# Altium PCB openmv-ae3.PcbDoc (part 1 of 7) (continued)
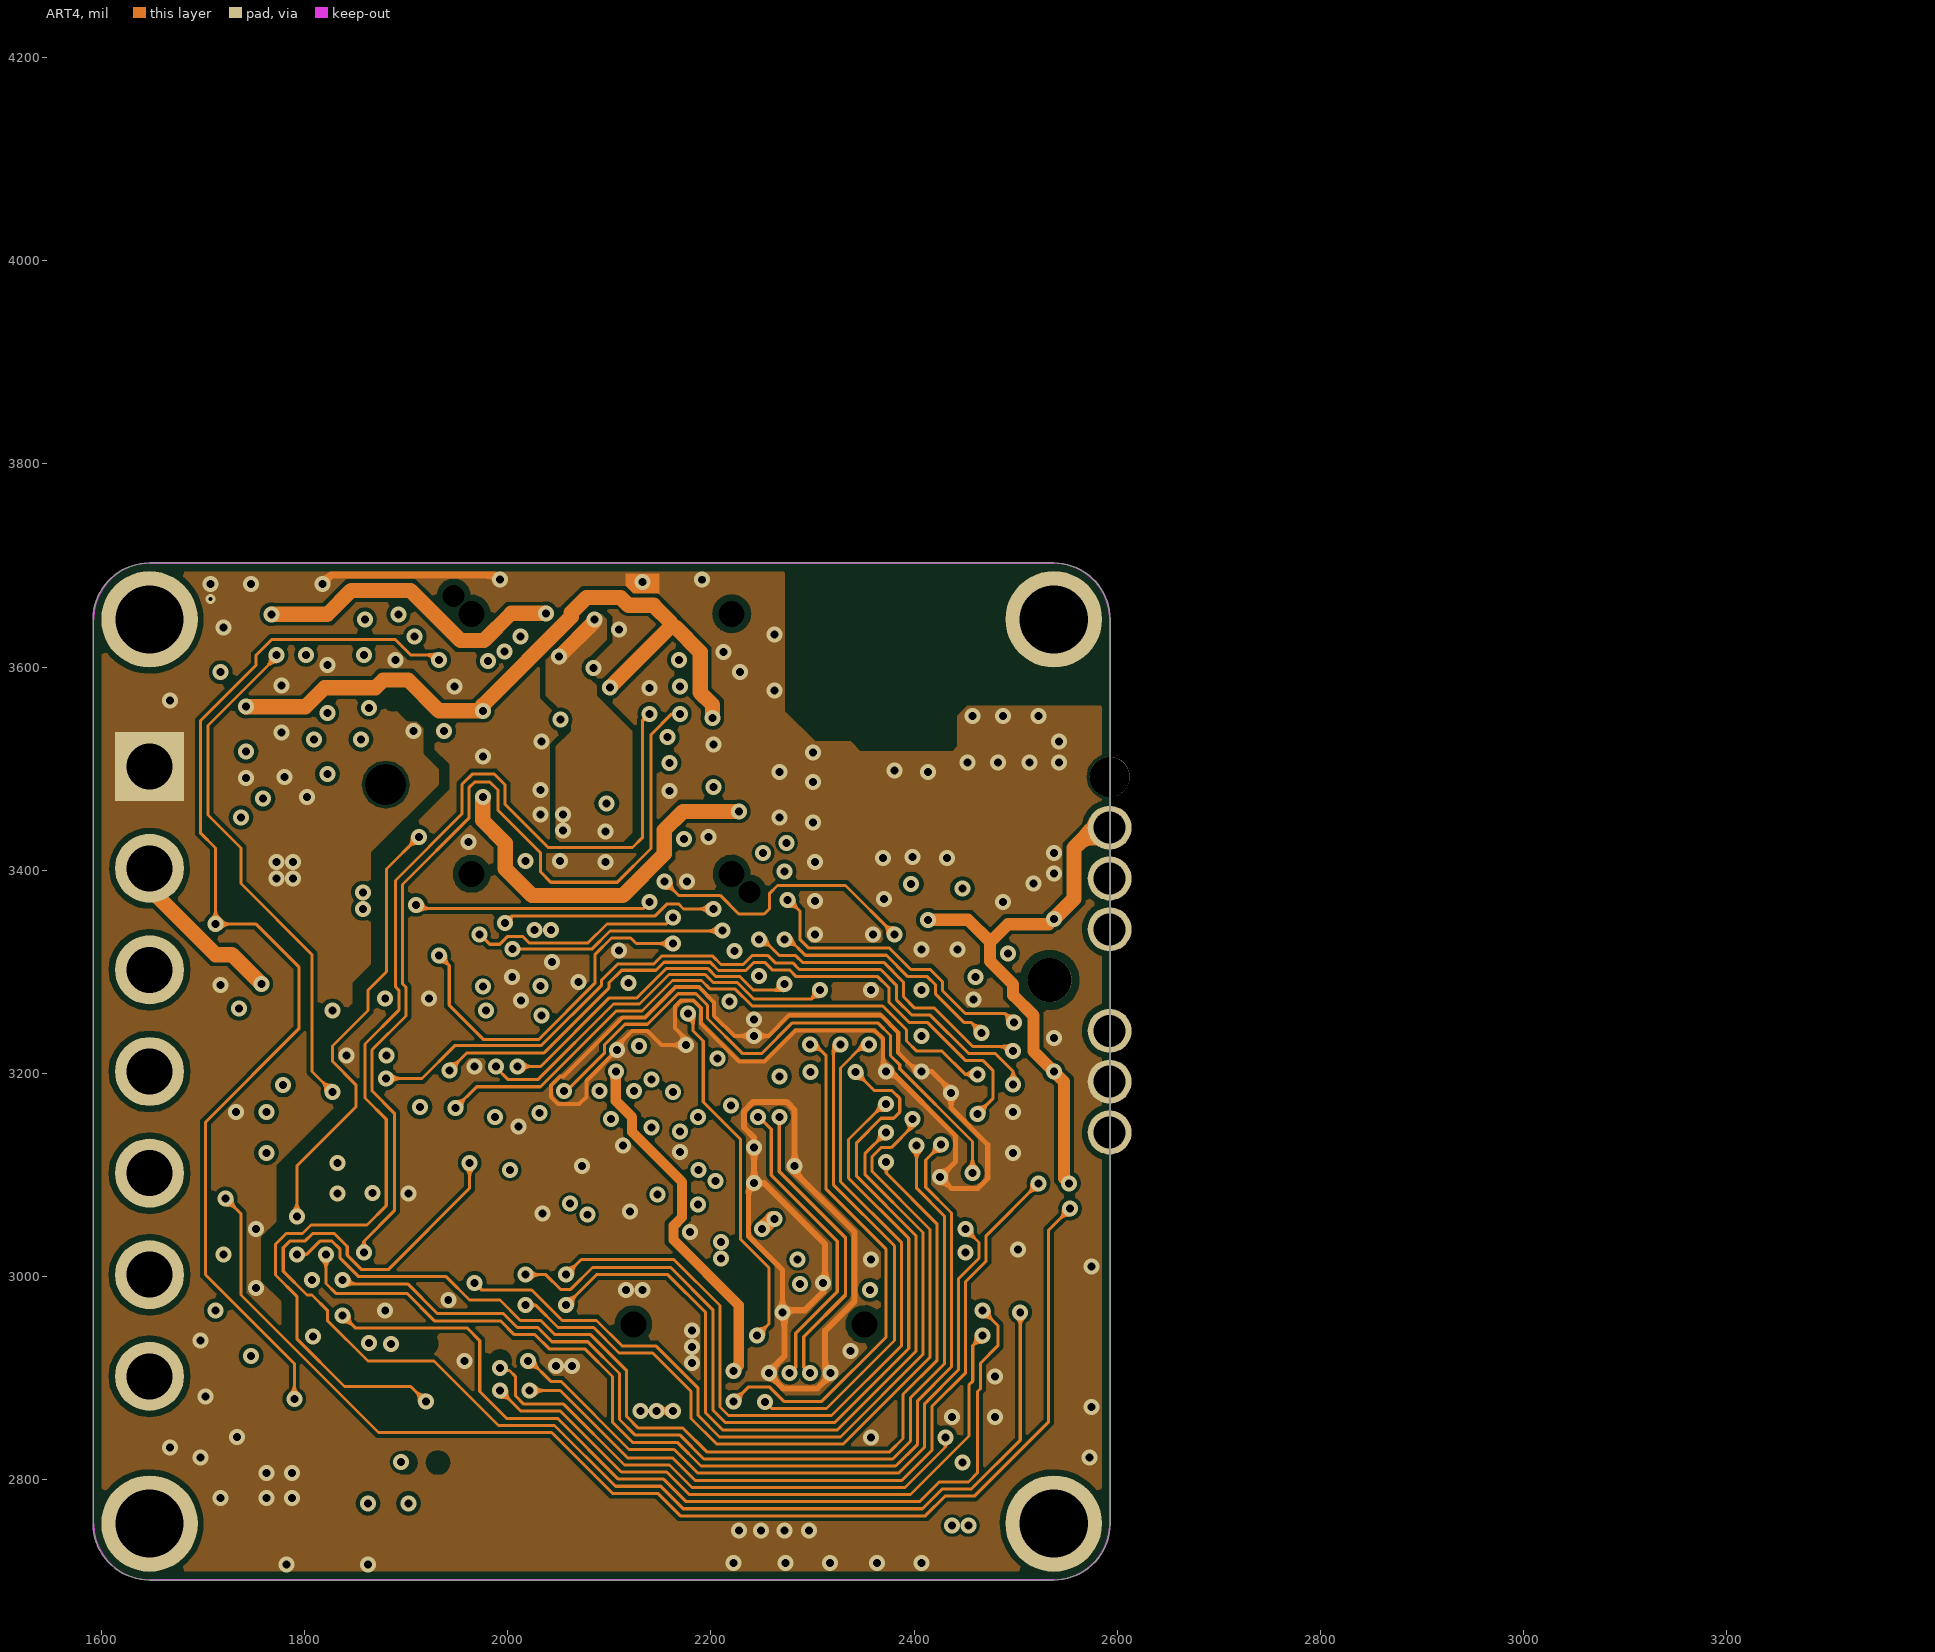
[diagram p4: ART4]
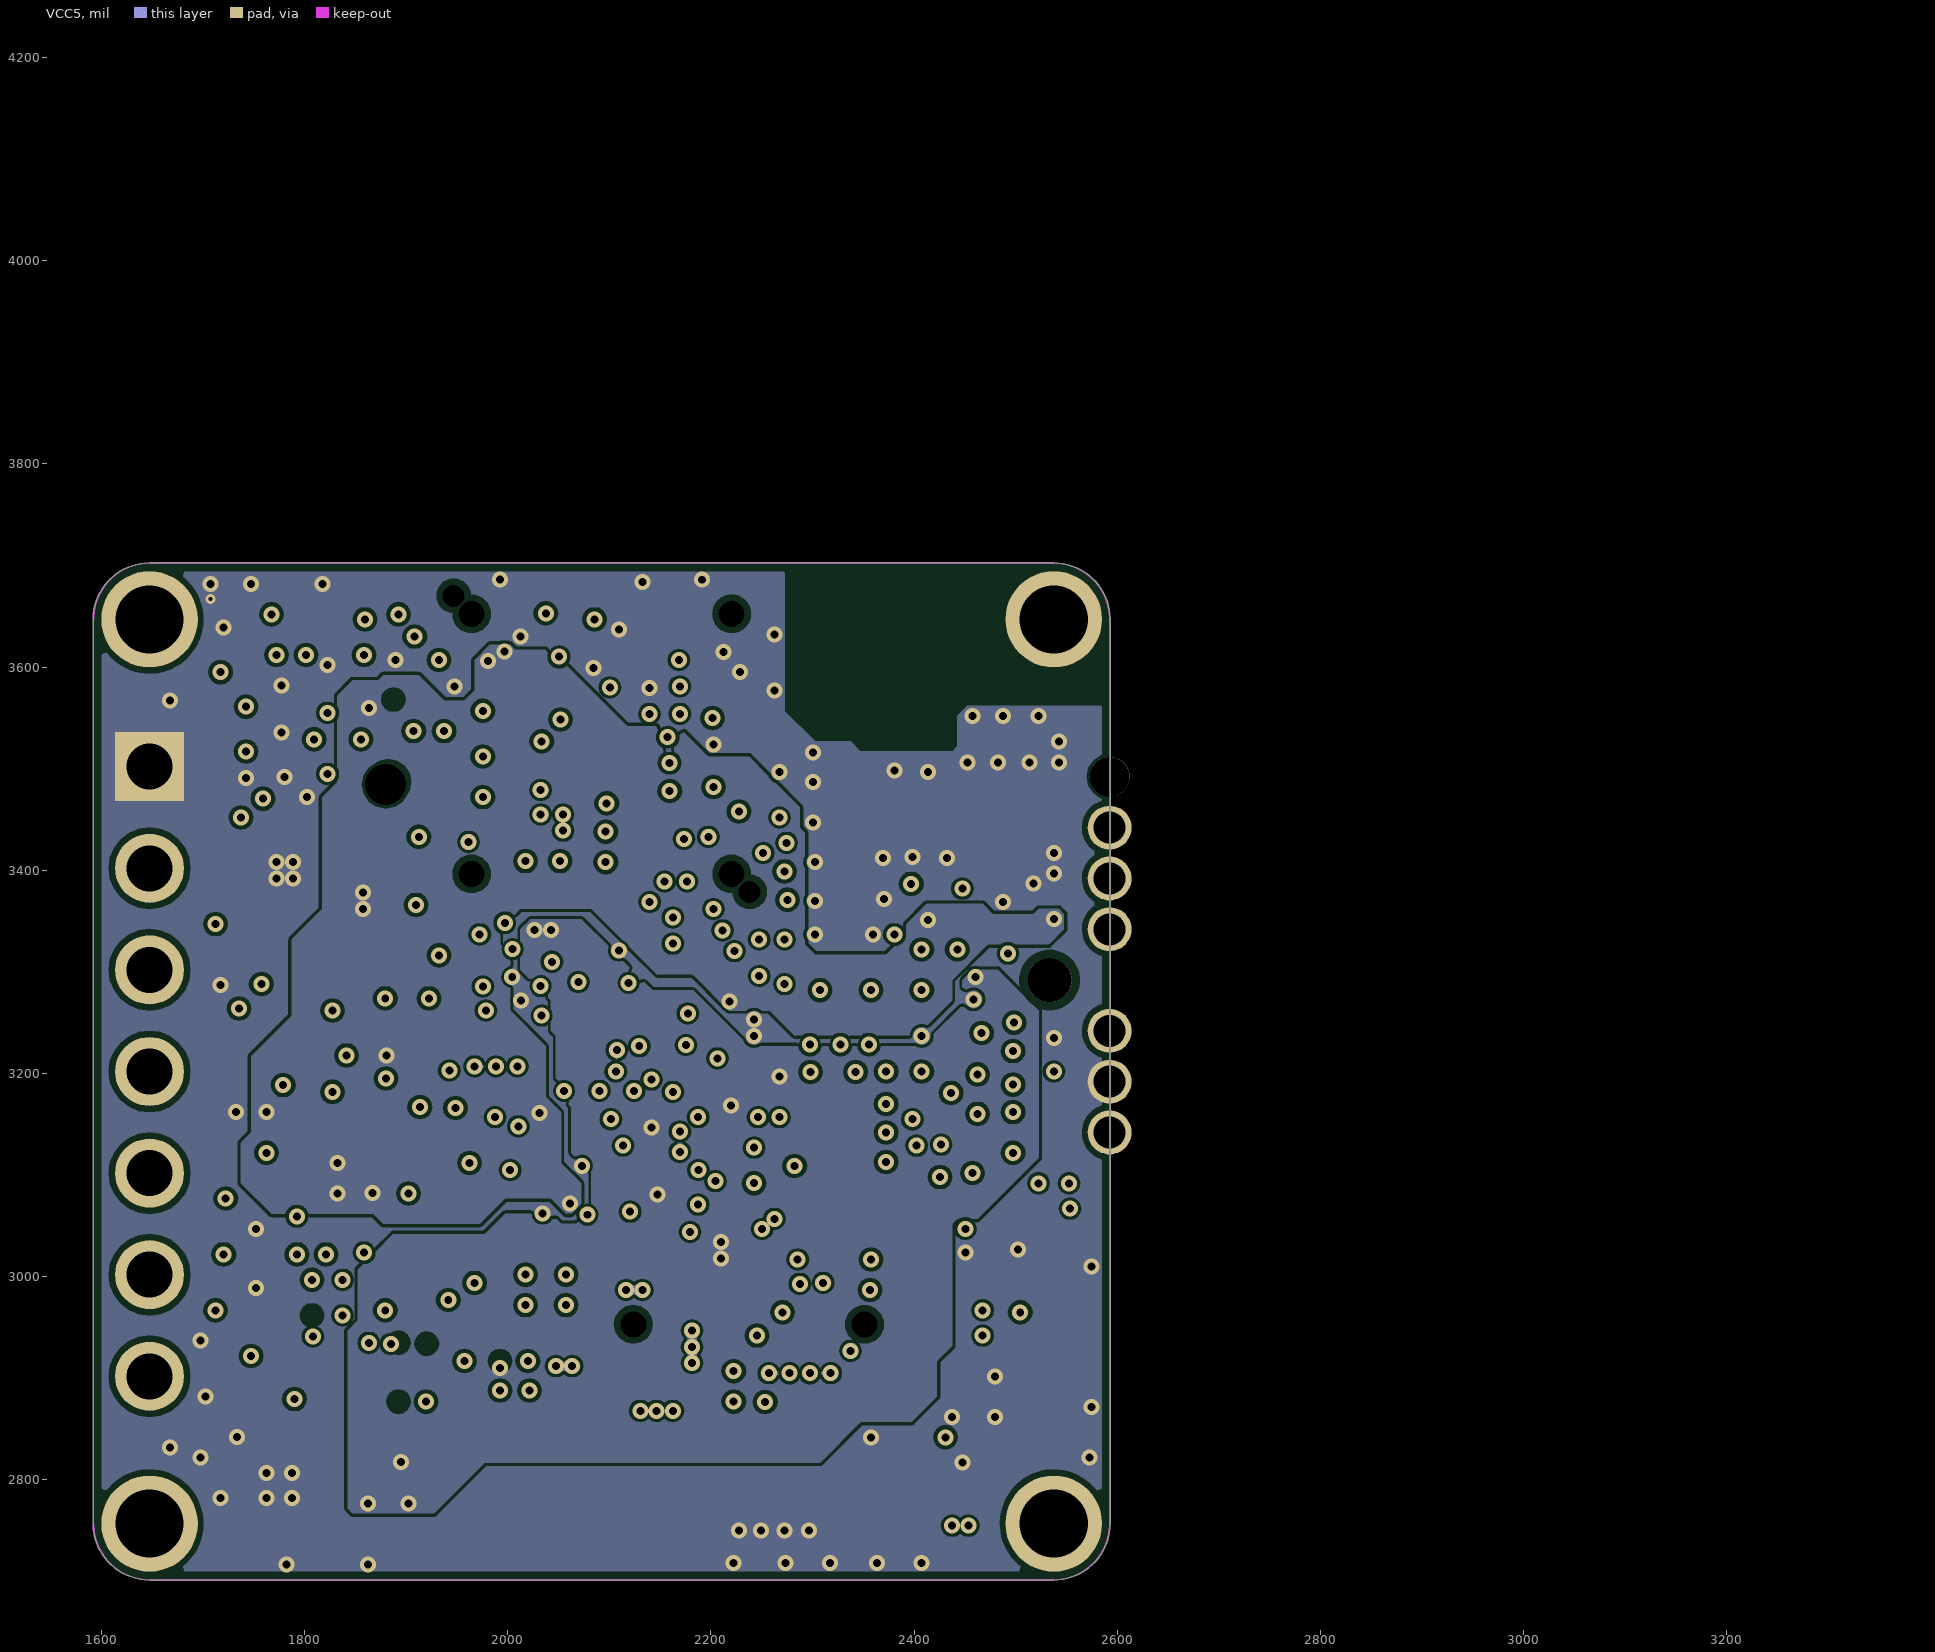
[diagram p5: VCC5]
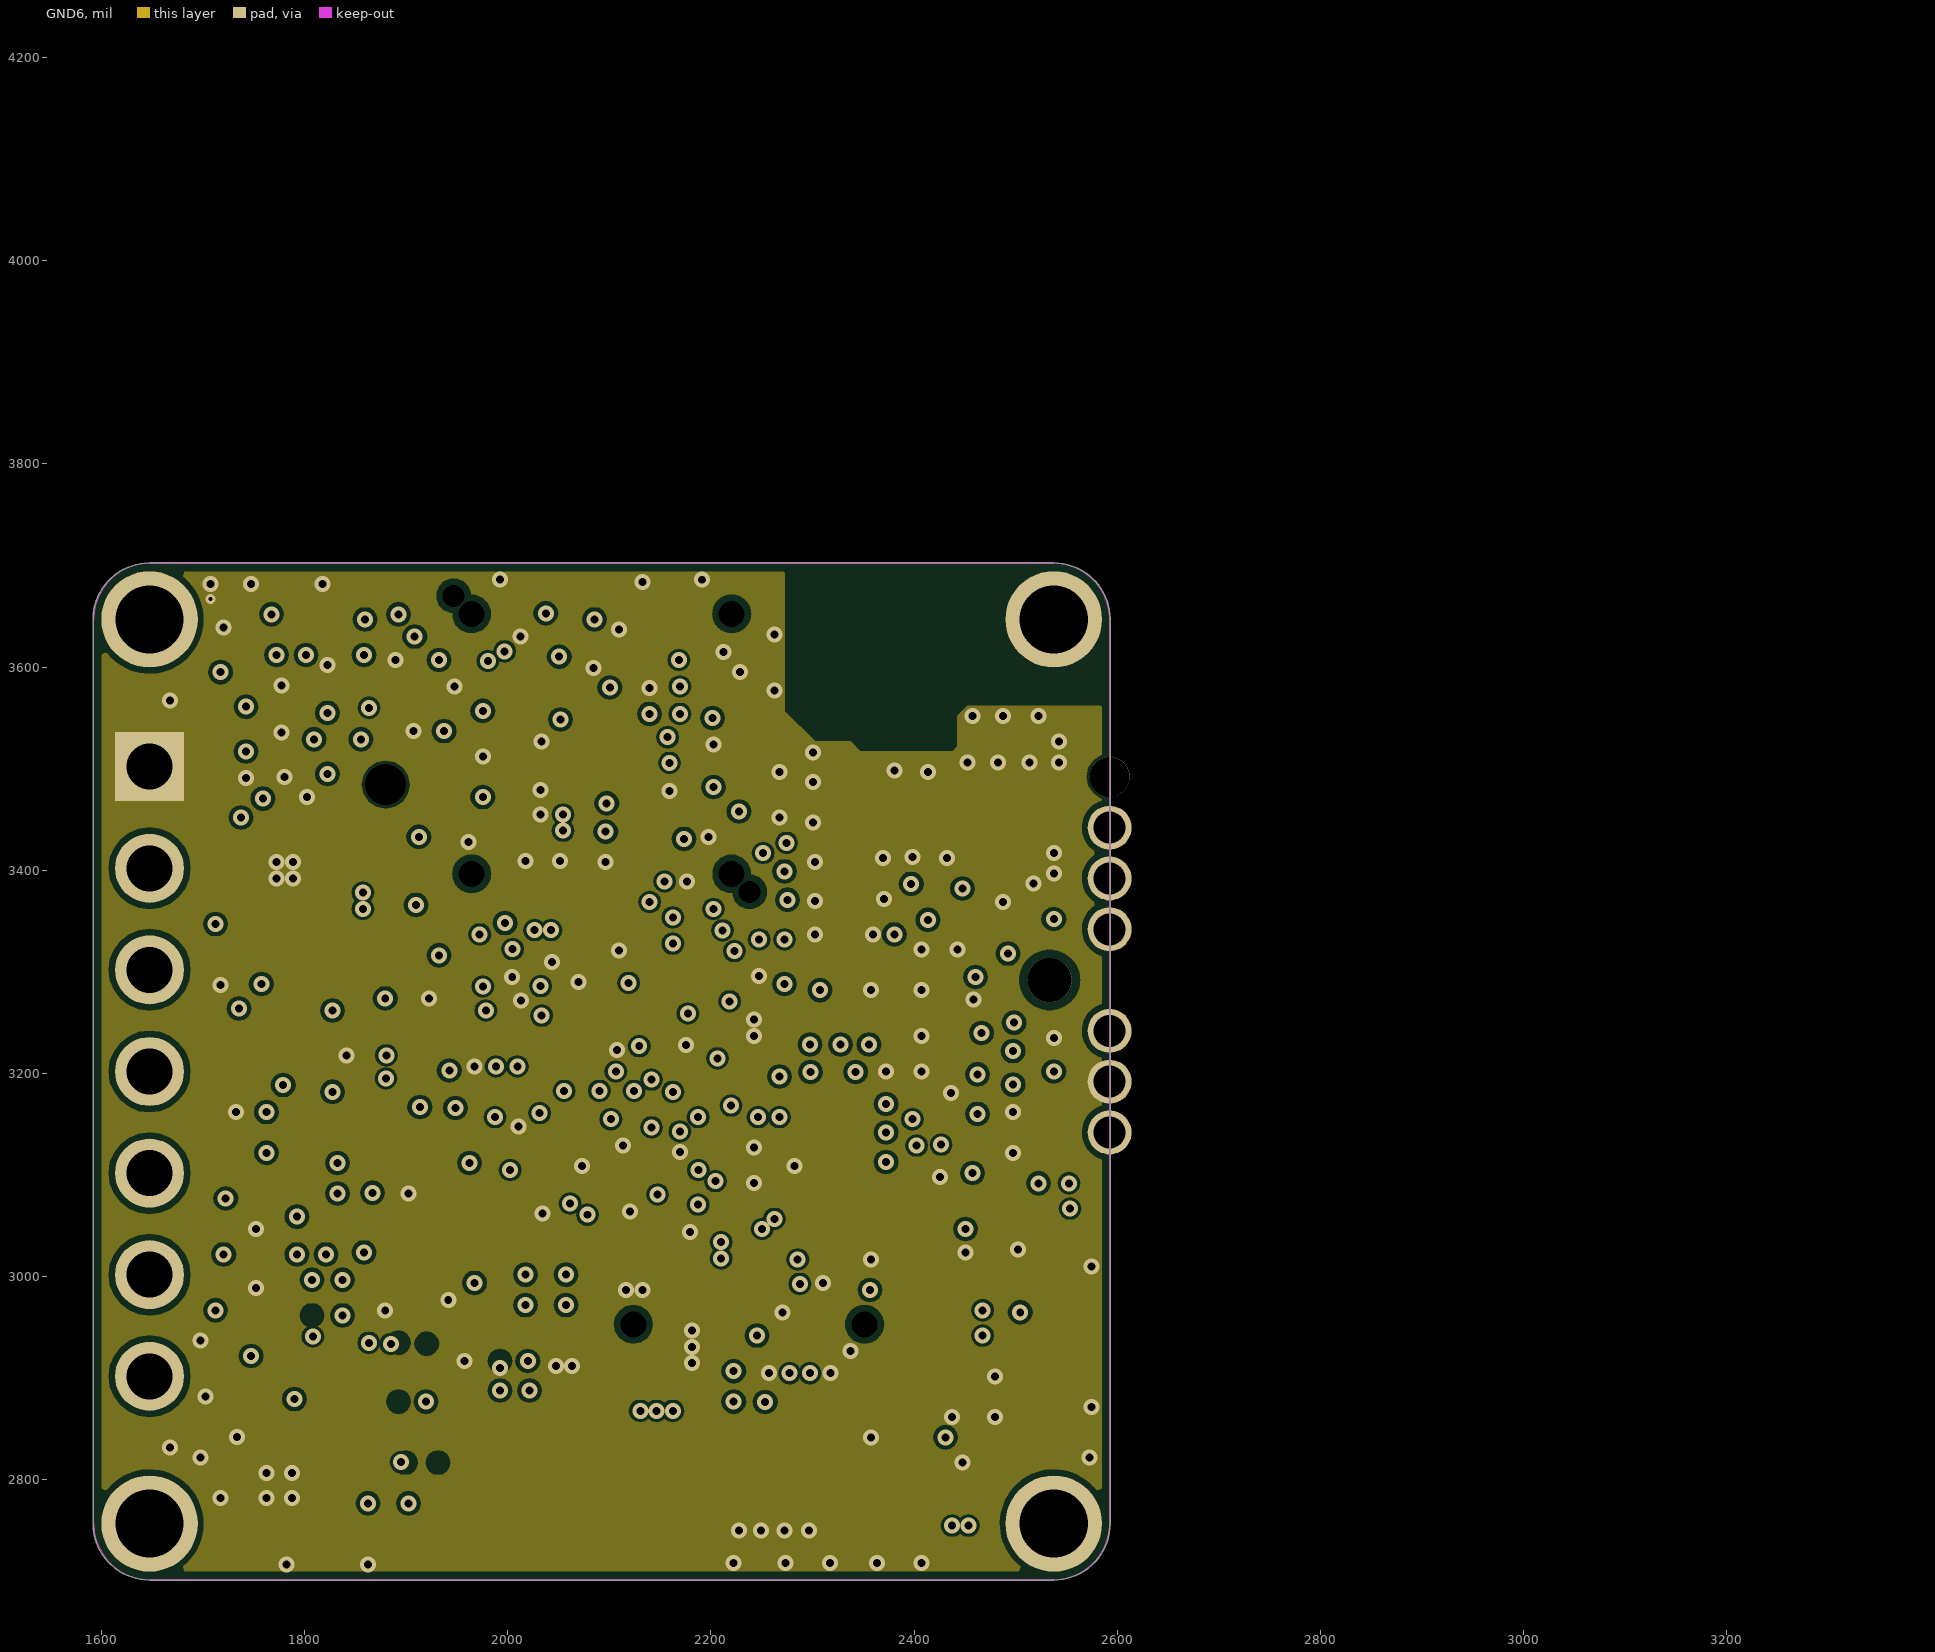
[diagram p6: GND6]
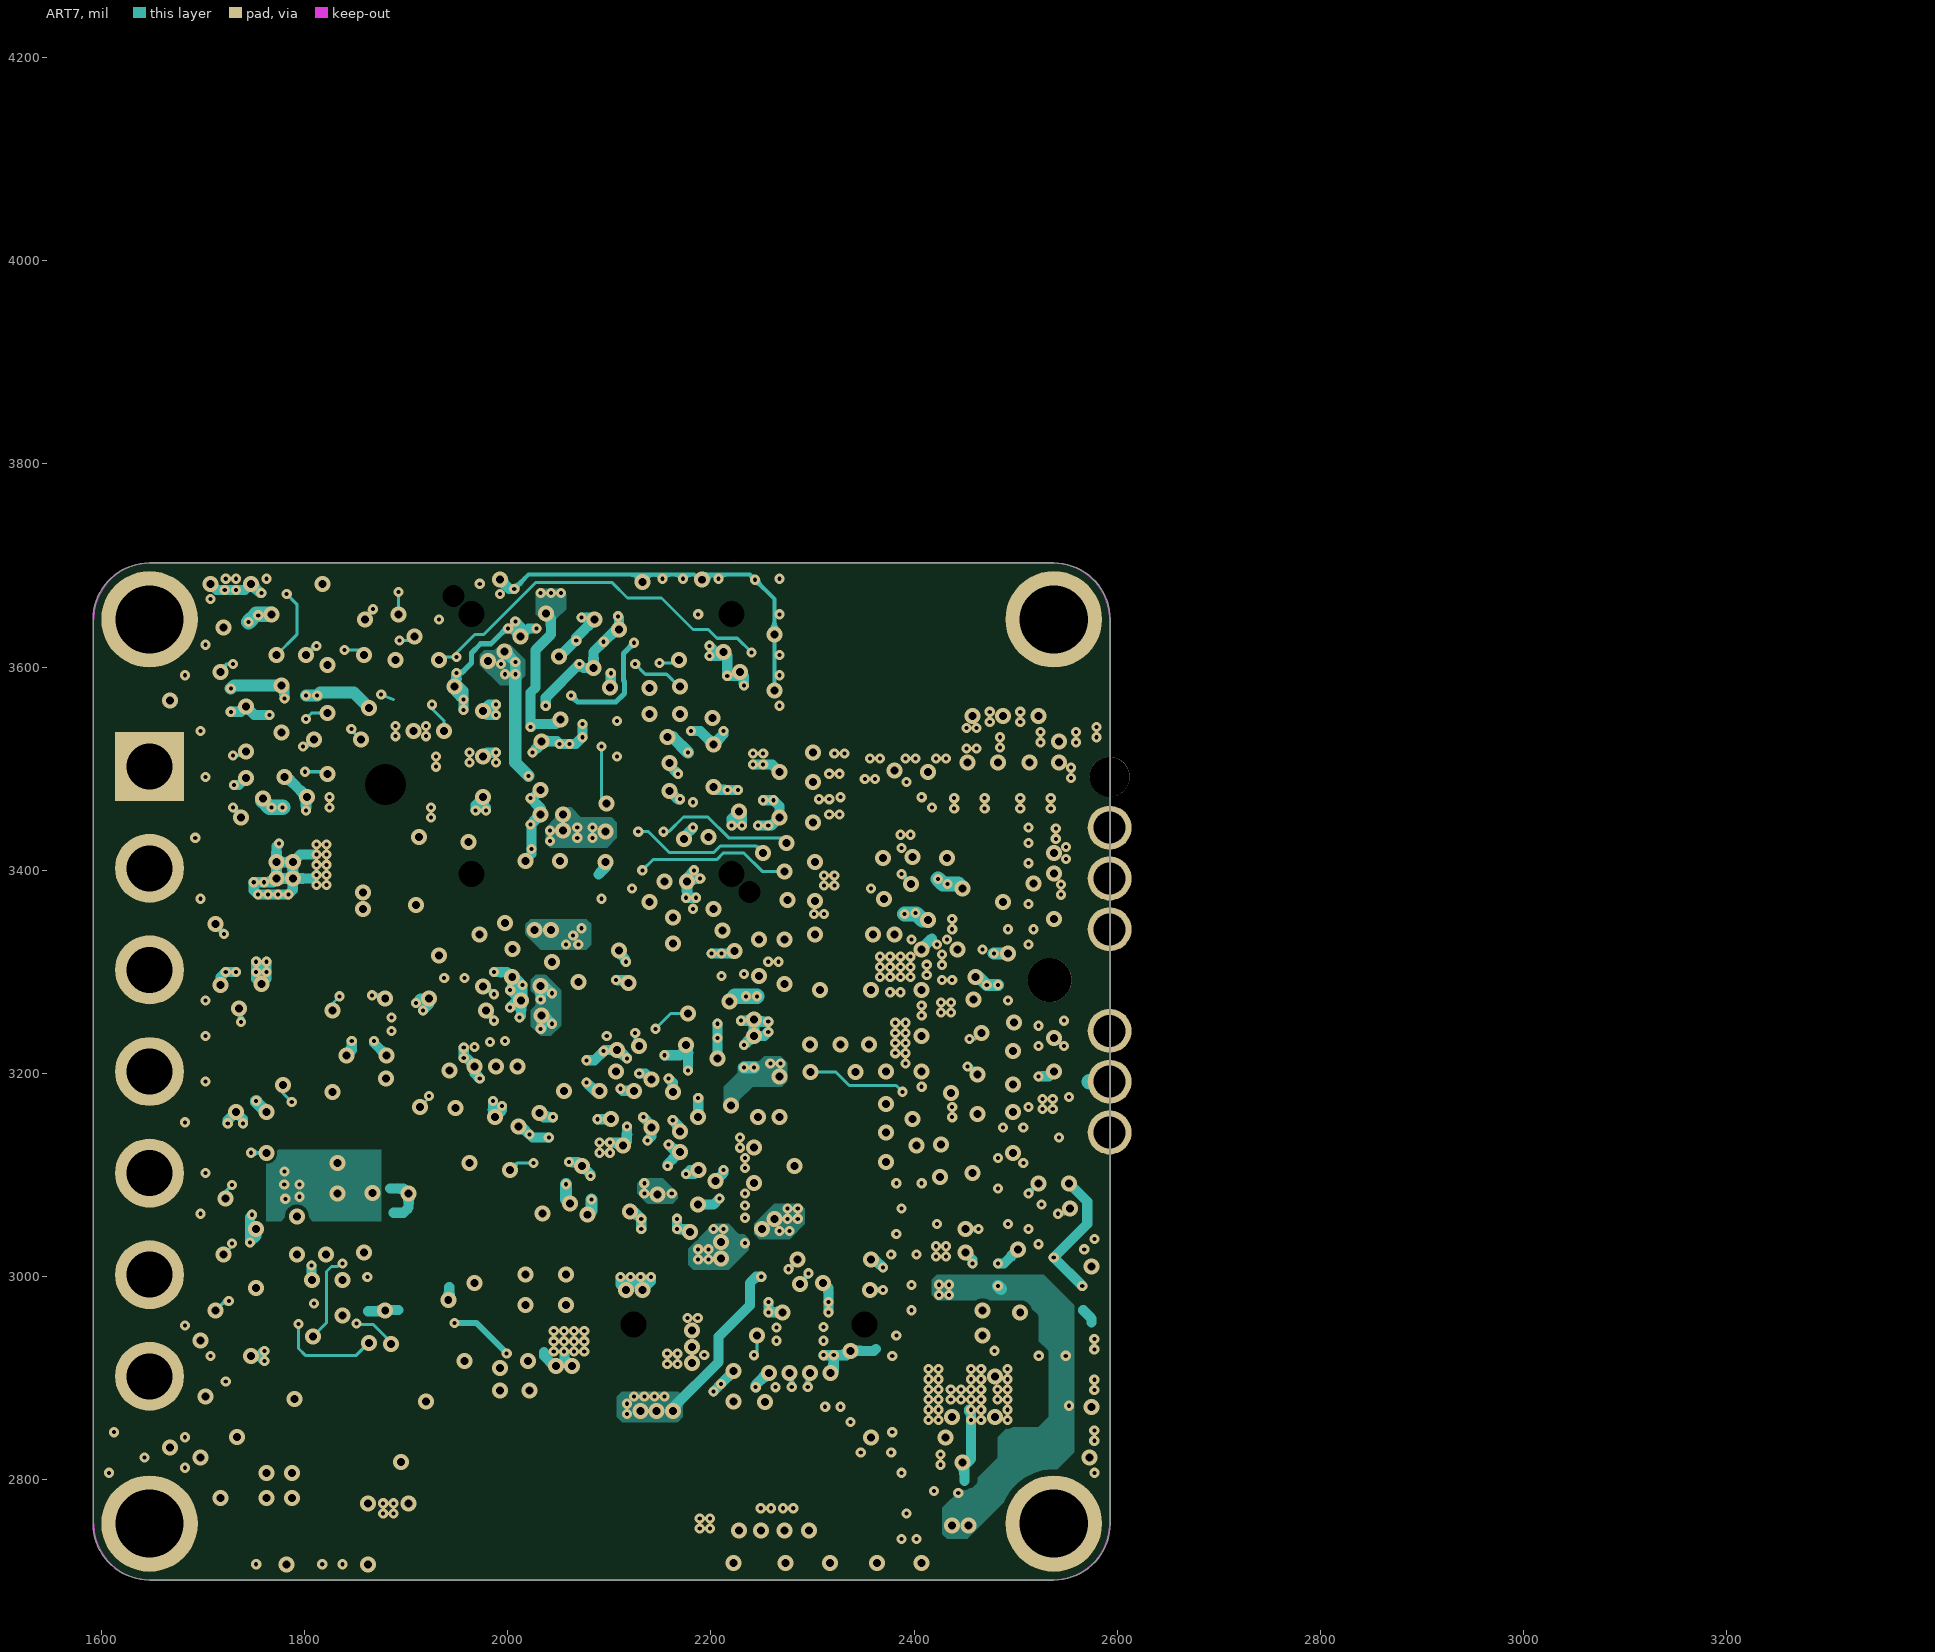
[diagram p7: ART7]

## Layer stack, top to bottom
Top Solder: solder mask 0.4, Solder Resist, Dk 3.5
TOP: signal copper 1.2
Dielectric 1: core 8, FR-4, Dk 4.5
ART2: signal copper 1.2
Dielectric2: core 8, FR-4, Dk 4.5
GND3: signal copper 1.2
Dielectric3: core 8, FR-4, Dk 4.5
ART4: signal copper 1.2
Dielectric4: core 8, FR-4, Dk 4.5
VCC5: signal copper 1.2
Dielectric5: core 8, FR-4, Dk 4.5
GND6: signal copper 1.2
Dielectric6: core 8, FR-4, Dk 4.5
ART7: signal copper 1.2
Dielectric7: core 8, FR-4, Dk 4.5
BOTTOM: signal copper 1.2
Bottom Solder: solder mask 0.4, Solder Resist, Dk 3.5

## Board outline
1591.94,2756.91 ccw(c1647.44,2756.91) 1647.44,2701.41 2537.44,2701.41 ccw(c2537.44,2756.91) 2592.94,2756.91 2592.94,3646.91 ccw(c2537.44,3646.91) 2537.44,3702.41 1647.44,3702.41 ccw(c1647.44,3646.91) 1591.94,3646.91

## Design rules (kind name [scope] priority, off if disabled: settings)
BoardOutlineClearance mdCopperDimension [All] p1: gap=5 ignorepadtopadclearanceinfootprint=FALSE
Clearance [All] p1: gap=3 ignorepadtopadclearanceinfootprint=FALSE except(0: Arc-Hole Track-Hole SMDPad-Hole THPad-Hole Via-Hole Fill-Hole Poly-Hole Region-Hole Text-Hole)
ComponentClearance [All] p1: gap=0 collisioncheckmode=3 verticalgap=10 showdistances=FALSE
DiffPairsRouting [All] p1: maxlimit=4 minlimit=4 mostfreqgap=4 toplayer_minwidth=3 toplayer_maxwidth=5 toplayer_prefwidth=3 midlayer1_minwidth=3 midlayer1_maxwidth=5 midlayer1_prefwidth=3 midlayer2_minwidth=3 midlayer2_maxwidth=5 midlayer2_prefwidth=3 midlayer3_minwidth=3 midlayer3_maxwidth=5 midlayer3_prefwidth=3 midlayer4_minwidth=3 midlayer4_maxwidth=5 midlayer4_prefwidth=3 midlayer5_minwidth=3 midlayer5_maxwidth=5 midlayer5_prefwidth=3 midlayer6_minwidth=3 midlayer6_maxwidth=5 midlayer6_prefwidth=3 bottomlayer_minwidth=3 bottomlayer_maxwidth=5 bottomlayer_prefwidth=3 maxuncoupledlength=500
HoleSize HoleSize_For_NetClass_signal [InNetClass('signal')] p1: absolutevalues=TRUE maxlimit=4 minlimit=4 maxpercent=80.000 minpercent=20.000
HoleSize HoleSize_For_NetClass_pwr [InNetClass('pwr')] p2: absolutevalues=TRUE maxlimit=4 minlimit=4 maxpercent=80.000 minpercent=20.000
HoleSize HoleSize_For_NetClass_gnd [InNetClass('gnd')] p3: absolutevalues=TRUE maxlimit=4 minlimit=4 maxpercent=80.000 minpercent=20.000
HoleSize [All] p4: absolutevalues=TRUE maxlimit=100000 minlimit=4 maxpercent=80.000 minpercent=20.000
HoleToHoleClearance mdDrill [All] p1: gap=3 allowstackedmicrovias=TRUE
MinimumSolderMaskSliver [All] p1 off: minsoldermaskwidth=4
PasteMaskExpansion Expansion_SMDPaste_OFF [InPadClass('SMDPaste_OFF')] p1: expansion=0
PasteMaskExpansion mlMinCreamFrame [All] p2: expansion=0
PlaneConnect [All] p1: planeconnectstyle=Direct reliefexpansion=20 reliefentries=4 reliefconductorwidth=10 reliefairgap=10
PolygonConnect PolygonConnect_1 [HasFootprint('C0201')] p1: connectstyle=Direct reliefconductorwidth=10 reliefentries=4 polygonreliefangle="45 Angle" airgapwidth=10
PolygonConnect [All] p2: connectstyle=Direct reliefconductorwidth=10 reliefentries=4 polygonreliefangle="45 Angle" airgapwidth=10
RoutingVias [All] p1: holewidth=8 width=14 viastyle="Through Hole" minholewidth=4 minwidth=9.9 maxholewidth=100 maxwidth=100
SilkToSilkClearance [All] p1: silktosilkclearance=4
SilkToSolderMaskClearance [IsPad] p1: minsilkscreentomaskgap=4 clearancetoexposedcopper=TRUE
SolderMaskExpansion mlMinStopFrame [All] p1: expansion=2 istentingtop=FALSE
Width [All] p1: maxlimit=100 minlimit=2.8 preferedwidth=3
21 further rules are at their usual default settings.

## Classes and differential pairs
component class b2b: D6 J6
differential pair class USB: USB_D
component class camera: C5 C6 C7 C8 C11 C12 C13 C14 C15 C16 C17 C18 C19 C21 C23 C24 C25 C26 C27 C28 C29 C30 C31 C32 C33 C36 M1 Q7 Q8 R3 R4 R5 R57 R58 U1
component class flash: C1 C2 C3 C39 C40 R8 R9 R10 R11 U2
component class imu: C50 C51 C78 R1 R2 R33 R40 U7
component class mic: C76 C77 IC3
component class processor: B4 B6 B7 C20 C22 C34 C35 C37 C38 C84 C85 C86 C87 C88 C89 C90 C91 C92 C93 C94 C95 C96 C97 C98 C99 C100 C101 C102 C103 C104 C105 C106 C107 C108 C109 C110 C111 C112 C113 C114 C115 C116 C117 C118 C119 C121 C122 D1 D3 D5 FD1 FD2 FD3 FD4 FD5 FD6 FD7 FD8 IC4 J1 J4 J5 L1 Q1 Q2 Q3 Q4 R34 R35 R36 R37 R38 R39 R41 R42 R43 R44 R45 R46 R47 R48 R49 R50 R51 R52 R53 R54 S2 U4 X1 Y2
component class regulators: B1 B2 B3 C9 C10 C63 C64 C65 C66 C67 C68 C69 C70 C71 C72 C73 C74 C75 C120 C123 C124 C125 D2 L8 L9 L10 R20 R21 R22 R23 R24 R25 U3 U8 U9 U10
component class tof: C79 C80 C81 C82 IC2 R26 R27 R28 R29 R30 R31
component class usb: B5 C52 C53 C54 C55 C56 C57 C58 C59 C60 C61 C62 C83 D4 FL1 J2 L7 Q5 Q6 R12 R14 R15 R16 R17 R18 R19 R56 S1 U5 U6
component class wifi-bt: ANT1 C4 C41 C42 C43 C44 C45 C46 C47 C48 C49 IC1 J3 L5 L6 R6 R7 R13 R32 Y1
differential pair BL_USB_D_2: +BL_USB_D_2_P -BL_USB_D_2_N
differential pair BL_USB_D: +BL_USB_D_P -BL_USB_D_N
differential pair D1: +D1_P -D1_N
differential pair D2: +D2_P -D2_N
differential pair USB_D: +USB_D_P -USB_D_N
